# Altium PCB MCU025B.PcbDoc (part 1 of 3) (continued)
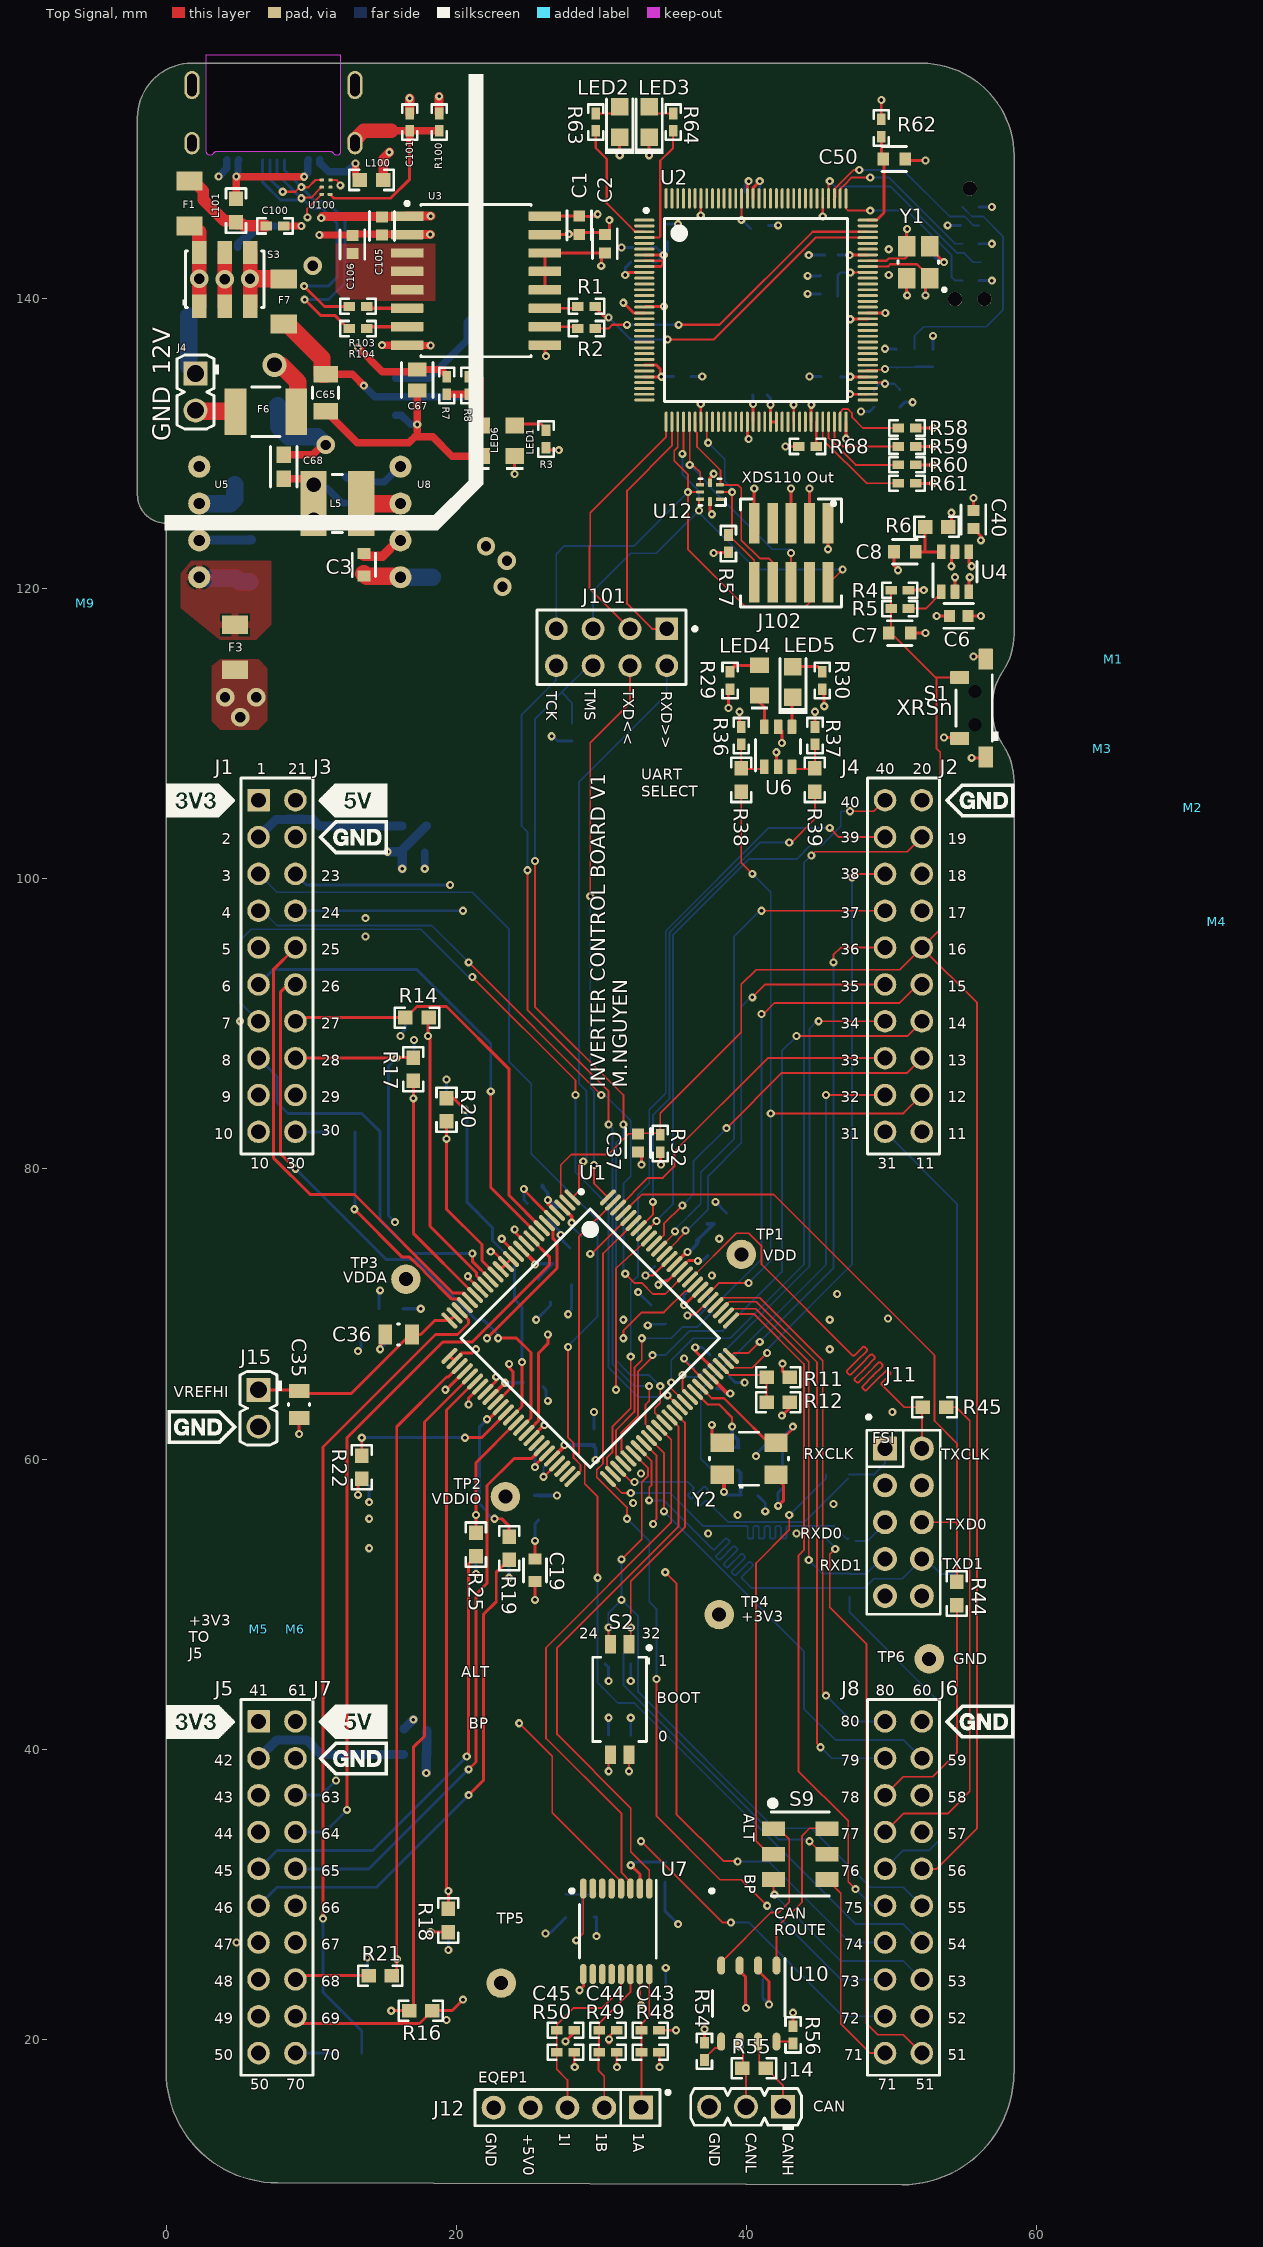
[diagram p0: Top Signal view]
## Components (designator, comment, footprint, x,y, rotation, side; value= is the part's Value field where it differs from the comment) (continued)
LED6 "150080SS75000" WL-SMCW_0805_150080xx75000 21.65,130.173 r90 top
M1 "60900213421" Wurth_60900213421 65.278,115.135 r270 top
M2 "60900213421" Wurth_60900213421 70.739,104.902 r90 top
M3 "60900213421" Wurth_60900213421 64.5,108.966 r90 top
M4 "60900213421" Wurth_60900213421 72.39,97.028 r90 top
M5 "60900213421" Wurth_60900213421 6.35,48.26 r90 top
M6 "60900213421" Wurth_60900213421 8.89,48.26 r90 top
M9 "60900213421" Wurth_60900213421 -5.588,118.999 r90 top
R1 "CRCW040224R3FKED" 0402 28.956,139.446 r0 top value=24.3
R2 "CRCW040224R3FKED" 0402 28.956,137.922 r0 top value=24.3
R3 "CRCW0402680RJNED" 0402 26.162,130.302 r270 top value=680
R4 "CRCW04022K20JNED" 0402 50.546,119.888 r0 top value=2.2k
R5 "CRCW04020000Z0ED" 0402 50.546,118.618 r180 top value=0
R6 "CRCW06032K20JNEA" 0603 53.086,124.25 r0 top value=2.2k
R7 "CRCW06032K20JNEA" 0402 19.317,133.987 r90 top value=2.2k
R8 "RC0603FR-07120RL" 0402 20.828,133.987 r270 top value=120
R10 "CRCW04022K20JNED" 0402 27.95,110.075 r270 bottom value=2.2k
R11 "CRCW06030000Z0EA" 0603 42.164,65.634 r0 top value=0
R12 "CRCW06030000Z0EA" 0603 42.164,63.906 r0 top value=0
R13 "CRCW06030000Z0EA" 0603 12.7,19.05 r0 bottom value=0
R14 "CRCW06030000Z0EA" 0603 17.272,90.424 r180 top value=0
R15 "CRCW06030000Z0EA" 0603 12.192,82.55 r0 bottom value=0
R16 "CRCW06030000Z0EA" 0603 17.526,21.971 r0 top value=0
R17 "CRCW06030000Z0EA" 0603 17.018,86.868 r90 top value=0
R18 "CRCW06030000Z0EA" 0603 19.431,28.194 r270 top value=0
R19 "CRCW06030000Z0EA" 0603 23.622,53.848 r90 top value=0
R20 "CRCW06030000Z0EA" 0603 19.304,84.074 r90 top value=0
R21 "CRCW06030000Z0EA" 0603 14.732,24.384 r180 top value=0
R22 "CRCW06030000Z0EA" 0603 13.462,59.436 r90 top value=0
R23 "CRCW06030000Z0EA" 0603 17.018,103.632 r180 bottom value=0
R24 "CRCW06030000Z0EA" 0603 17.145,39.624 r180 bottom value=0
R25 "CRCW06030000Z0EA" 0603 21.336,54.102 r90 top value=0
R26 "CRCW06030000Z0EA" 0603 17.018,101.854 r180 bottom value=0
R27 "CRCW06030000Z0EA" 0603 17.145,41.275 r0 bottom value=0
R28 "CRCW06030000Z0EA" 0603 37.623,60.018 r90 bottom value=0
R29 "CRCW0402680RJNED" 0402 38.846,113.661 r270 top value=680
R30 "CRCW0402680RJNED" 0402 45.196,113.661 r270 top value=680
R31 "CRCW06030000Z0EA" 0603 39.401,60.018 r90 bottom value=0
R32 "CRCW04022K20JNED" 0402 34.036,81.75 r270 top value=2.2k
R33 "CRCW040256K0JNED" 0402 30.48,46.482 r270 bottom value=56k
R34 "CRCW040256K0JNED" 0402 32.004,46.482 r270 bottom value=56k
R35 "CRCW06030000Z0EA" 0603 42.467,58.792 r270 bottom value=0
R36 "CRCW040210M0JNED" 0402 39.624,109.855 r90 top value=10Meg
R37 "CRCW040210M0JNED" 0402 44.704,109.855 r90 top value=10Meg
R38 "CRCW06030000Z0EA" 0603 39.624,106.807 r90 top value=0
R39 "CRCW06030000Z0EA" 0603 44.679,106.807 r90 top value=0
R40 "CRCW04022K20JNED" 0402 30.48,40.386 r270 bottom value=2.2k
R41 "CRCW04022K20JNED" 0402 32.004,40.386 r270 bottom value=2.2k
R42 "CRCW06032K20JNEA" 0603 27.5,29.21 r90 bottom value=2.2k
R43 "CRCW06030000Z0EA" 0603 29.636,29.222 r90 bottom value=0
R44 "CRCW06030000Z0EA" 0603 54.475,50.725 r270 top value=0
R45 "CRCW06030000Z0EA" 0603 52.941,63.571 r0 top value=0
R46 "CRCW06030000Z0EA" 0603 46.228,58.928 r180 bottom value=0
R47 "CRCW06030000Z0EA" 0603 46.228,54.514 r180 bottom value=0
R48 "CRCW04021K00FKED" 0402 33.348,19.1 r0 top value=1.00k
R49 "CRCW04021K00FKED" 0402 30.427,19.1 r0 top value=1.00k
R50 "CRCW04021K00FKED" 0402 27.506,19.1 r0 top value=1.00k
R54 "CRCW040210K0FKED" 0402 37.084,19.177 r90 top value=10.0k
R55 "RC0603FR-07120RL" 0603 40.5,18 r0 top value=120
R56 "CRCW040210K0FKED" 0402 43.188,20.309 r270 top value=10.0k
R57 "CRCW04023K30JNED" 0402 38.735,123.089 r270 top value=3.3k
R58 "CRCW04021K00JNED" 0402 51.054,131.064 r0 top value=1.0k
R59 "CRCW04021K00JNED" 0402 51.054,129.794 r0 top value=1.0k
R60 "CRCW04021K00JNED" 0402 51.054,128.524 r0 top value=1.0k
R61 "CRCW04021K00JNED" 0402 51.054,127.254 r0 top value=1.0k
R62 "CRCW0402100RJNED" 0402 49.276,151.75 r270 top value=100
R63 "ERJ-2RKF4700X" 0402 29.591,152.146 r270 top value=470
R64 "ERJ-2RKF4700X" 0402 34.925,152.146 r270 top value=470
R65 "CRCW040210K0JNED" 0402 50.292,135.89 r90 bottom value=10k
R66 "CRCW0402100RJNED" 0402 51.562,135.89 r270 bottom value=100
R67 "CRCW040210K0JNED" 0402 52.832,135.89 r270 bottom value=10k
R68 "CRCW04024K87FKED" 0402 44.196,129.794 r0 top value=4.87k
R70 "CRCW040251R0JNED" 0402 48.768,133.096 r270 bottom value=51
R71 "CRCW06030000Z0EA" 0603 47.092,51.095 r270 bottom value=0
R72 "CRCW06030000Z0EA" 0603 54.483,52.959 r90 bottom value=0
R100 "CRCW04021M00FKED" 0402 18.796,152.146 r270 top value=1.00Meg
R103 "CRCW040224R3FKED" 0402 13.208,139.446 r0 top value=24.3
R104 "CRCW040224R3FKED" 0402 13.208,137.922 r0 top value=24.3
S1 "1188E-1K2-V-TR" SW_1188E 55.372,111.76 r180 top
S2 "218-2LPST" SW_218-2LP 31.242,43.434 r270 top
S3 "CAS-220TA" SW_CAS-D20TA 4.011,141.314 r90 top
S9 "CAS-220TA" SW_CAS-220TA 43.688,32.766 r0 top
TP1 "TESTPOINT" TESTPOINT 39.625,74.1 r0 top
TP2 "TESTPOINT" TESTPOINT 23.368,57.404 r0 top
TP3 "TESTPOINT" TESTPOINT 16.51,72.39 r0 top
TP4 "TESTPOINT" TESTPOINT 38.1,49.276 r0 top
TP5 "TESTPOINT" TESTPOINT 23.074,23.875 r0 top
TP6 "TESTPOINT" TESTPOINT 52.578,46.228 r0 top
U1 "F280049CPZS" PZ0100A_N 29.21,68.326 r315 top
U2 "MSP432E401YTPDT" PDT0128A 40.64,139.192 r0 top locked
U3 "ADuM3160BRWZ" SOIC-16 21.336,141.224 r0 top
U4 "TPS3702CX33DDCR" DDC0006A_N 54.356,121.158 r90 top
U5 "1S4E_0505S1.5U" 1S4E_0503S1U-Footprint-1 2.261,128.397 r270 top
U6 "SN74LVC2G07DBVR" DBV0006A_N 42.164,109.093 r90 top
U7 "TXB0106PWR" PW0016A_N 31.008,27.444 r270 top
U8 "1S4E_0503S1U" 1S4E_0503S1U-Footprint-1 16.129,128.397 r270 top
U10 "SN65HVD234DR" D0008A_L 40.145,22.463 r270 top
U11 "AP1509-50SG-13" AP1509-50SG-13-Footprint-1 15.786,135.763 r180 bottom
U12 "TPD6E004RSER" RSE0008A 37.465,126.645 r180 top
U100 "TPD4E004DRYR" DRY0006A 11.003,147.663 r180 top
Y1 "NX3225GA-16.000M-STD-CRG-1" NDK_NX3225GA 51.816,142.494 r180 top
Y2 "ECS-200-18-30B-AGN-TR" ECS_ECX-53B 40.163,60.018 r90 top

## Footprints (in the part's own frame and the unit in brackets; to place one, negate y for a bottom-side part, rotate by r counter-clockwise, add the part's x,y. Pads: shape width x height; smd on the part's side, far side on the other; paste and mask are expansions set on the pad)
1S4E_0503S1U-Footprint-1 [mil]
  round 60 hole 30: 1(0,0) 2(100,0) 3(200,0) 4(300,0)
  body extent -75,-63 386,173, height 380
0402 [mm] "0402 from SM-752 data"
  rect 0.8x0.6 smd: 1(-0.6,0) 2(0.6,0)
  silkscreen extent -1.22,-0.52 1.22,0.52, body extent -0.55,-0.3 0.55,0.3, height 0.6
0603 [mm] "0603 from SM-752 data"
  rect 1x0.95 smd: 1(-0.8,0) 2(0.8,0)
  silkscreen extent -1.52,-0.69 1.52,0.69, body extent -0.87,-0.47 0.87,0.47, height 1
0805 [mm] "0805 from SM-752 data"
  rect 1.3x1.5 smd: 1(-0.85,0) 2(0.85,0)
  silkscreen extent -1.72,-0.97 1.72,0.97, body extent -1.1,-0.72 1.1,0.72, height 1.45
AMPHENOL_GSB1C4621DS1HR [mm]
  rect 0.6x1.1 smd mask+0.05: A1_B12(-3.2,5.15) A4_B9(-2.4,5.15) B1_A12(3.2,5.15) B4_A9(2.4,5.15)
  rect 0.3x1.1 smd mask+0.05: A5(-1.25,5.15) A6(-0.25,5.15) A7(0.25,5.15) A8(1.25,5.15) B5(1.75,5.15) B6(0.75,5.15) B7(-0.75,5.15) B8(-1.75,5.15)
  oval 1.05x1.55 hole 0.65 slot 1.15 at 90 deg: SH1(-5.62,4) SH2(5.62,4)
  oval 1.05x1.95 hole 0.65 slot 1.55 at 90 deg: SH3(-5.62,0) SH4(5.62,0)
  Keep-Out Layer board cut-out: -4.619,4.622 -4.62,4.6 -4.62,-2.1 4.62,-2.1 4.62,4.6 4.619,4.622 4.616,4.643 4.611,4.665 4.605,4.686 4.597,4.706 4.587,4.725 4.575,4.743 4.562,4.761 4.547,4.777 4.531,4.792 4.513,4.805 4.495,4.817 4.476,4.827 4.456,4.835 4.435,4.841 4.413,4.846 4.392,4.849 4.37,4.85 4.348,4.849 4.327,4.846 4.305,4.841 4.284,4.835 4.264,4.827 4.245,4.817 4.227,4.805 4.209,4.792 4.193,4.777 4.178,4.761 4.165,4.743 4.154,4.725 4.149,4.718 4.144,4.71 4.139,4.703 4.134,4.696 4.129,4.689 4.123,4.683 4.117,4.676 4.111,4.67 4.104,4.664 4.098,4.658 4.091,4.653 4.084,4.648 4.077,4.643 4.069,4.638 4.062,4.633 4.054,4.629 4.047,4.625 4.039,4.622 4.031,4.618 4.022,4.615 4.014,4.612 4.006,4.61 3.997,4.607 3.989,4.605 3.98,4.604 3.972,4.602 3.963,4.601 3.954,4.601 3.946,4.6 3.937,4.6 -3.937,4.6 -3.946,4.6 -3.954,4.601 -3.963,4.601 -3.972,4.602 -3.98,4.604 -3.989,4.605 -3.997,4.607 -4.006,4.61 -4.014,4.612 -4.022,4.615 -4.031,4.618 -4.039,4.622 -4.047,4.625 -4.054,4.629 -4.062,4.633 -4.069,4.638 -4.077,4.643 -4.084,4.648 -4.091,4.653 -4.098,4.658 -4.104,4.664 -4.111,4.67 -4.117,4.676 -4.123,4.683 -4.129,4.689 -4.134,4.696 -4.139,4.703 -4.144,4.71 -4.149,4.718 -4.154,4.725 -4.165,4.743 -4.178,4.761 -4.193,4.777 -4.209,4.792 -4.227,4.805 -4.245,4.817 -4.264,4.827 -4.284,4.835 -4.305,4.841 -4.327,4.846 -4.348,4.849 -4.37,4.85 -4.392,4.849 -4.413,4.846 -4.435,4.841 -4.456,4.835 -4.476,4.827 -4.495,4.817 -4.513,4.805 -4.531,4.792 -4.547,4.777 -4.562,4.761 -4.575,4.743 -4.587,4.725 -4.597,4.706 -4.605,4.686 -4.611,4.665 -4.616,4.643
  silkscreen extent -3.3,6.15 -3.1,6.35, body extent -5.77,-2.1 5.77,5.1, height 2.13
AP1509-50SG-13-Footprint-1 [mm]
  rrect50% 1.5x0.7 smd: 1(0,0) 2(0,-1.27) 3(0,-2.54) 4(0,-3.81) 5(5,-3.81) 6(5,-2.54) 7(5,-1.27) 8(5,0)
  silkscreen extent 2,0.13 3.27,0.76
BoosterPack_40pin_J1J3 [mm] "Receptacle, 2.54mm, 10x2, TH"
  rrect6% 1.55x1.55 hole 1.02: 1(1.27,11.43)
  round 1.55 hole 1.02: 2(1.27,8.89) 3(1.27,6.35) 4(1.27,3.81) 5(1.27,1.27) 6(1.27,-1.27) 7(1.27,-3.81) 8(1.27,-6.35) 9(1.27,-8.89) 10(1.27,-11.43) 21(-1.27,11.43) 22(-1.27,8.89) 23(-1.27,6.35) 24(-1.27,3.81) 25(-1.27,1.27) 26(-1.27,-1.27) 27(-1.27,-3.81) 28(-1.27,-6.35) 29(-1.27,-8.89) 30(-1.27,-11.43)
  silkscreen extent -7.62,-12.95 7.62,12.95, body extent -2.48,-12.95 2.48,12.95, height 8.51
BoosterPack_40pin_J2J4 [mm] "Receptacle, 2.54mm, 10x2, TH"
  round 1.55 hole 1.02: 11(-1.27,-11.43) 12(-1.27,-8.89) 13(-1.27,-6.35) 14(-1.27,-3.81) 15(-1.27,-1.27) 16(-1.27,1.27) 17(-1.27,3.81) 18(-1.27,6.35) 19(-1.27,8.89) 20(-1.27,11.43) 31(1.27,-11.43) 32(1.27,-8.89) 33(1.27,-6.35) 34(1.27,-3.81) 35(1.27,-1.27) 36(1.27,1.27) 37(1.27,3.81) 38(1.27,6.35) 39(1.27,8.89) 40(1.27,11.43)
  silkscreen extent -7.62,-12.95 2.48,12.95, body extent -2.48,-12.95 2.48,12.95, height 8.51
BOUR-SDR0403-2_V [mm] "SMD, 2-Leads, Dia 4.5mm, Height 3.5mm"
  rect 1.8x4.5 smd: 1(-1.65,0) 2(1.65,0)
  silkscreen extent -0.35,-2 0.35,2, body extent -2.25,-2 2.25,2, height 3.5
D0008A_L [mm] "SOIC, 8-Leads, Body 4.9x3.9mm, Pitch 1.27mm, IPC High Density"
  oval 1.25x0.55 smd: 1(-2.625,1.905) 2(-2.625,0.635) 3(-2.625,-0.635) 4(-2.625,-1.905) 5(2.625,-1.905) 6(2.625,-0.635) 7(2.625,0.635) 8(2.625,1.905)
  silkscreen extent -3.1,-2.5 0.9,2.5, body extent -3,-2.45 3,2.45, height 1.63
DBV0006A_N [mm] "SOT23, 6-Leads, Body 2.9x1.6mm, Pitch 0.95mm, Lead Span 2.8mm, IPC Medium Density"
  rrect17% 1x0.6 smd: 1(-1.375,0.95) 2(-1.375,0) 3(-1.375,-0.95) 4(1.375,-0.95) 5(1.375,0) 6(1.375,0.95)
  silkscreen extent -1.67,-1.55 0.5,1.55, body extent -1.42,-1.46 1.42,1.46, height 1.12
DDC0006A_N [mm]
  rrect17% 1x0.6 smd: 1(-1.375,0.95) 2(-1.375,0) 3(-1.375,-0.95) 4(1.375,-0.95) 5(1.375,0) 6(1.375,0.95)
  silkscreen extent -1.75,-1.52 0.7,1.53, body extent -1.43,-1.48 1.43,1.49, height 0.92
DRY0006A [mm] "PSON, 6-Leads, Body 1x1.45mm, Pitch 0.5mm, TI Recommended"
  rrect50% 0.35x0.2 smd: 1(-0.275,0.5)
  rrect50% 0.3x0.2 smd: 2(-0.3,0) 3(-0.3,-0.5) 4(0.3,-0.5) 5(0.3,0) 6(0.3,0.5)
  body extent -0.5,-0.72 0.5,0.73, height 0.58
ECS_ECX-53B [mm] "SMD, 4-Leads, Body 5x3.2mm"
  rect 1.25x1.6 smd: 1(-1.1,1.85) 2(-1.1,-1.85) 3(1.1,-1.85) 4(1.1,1.85)
  silkscreen extent -2.05,-2.7 1.83,2.73, body extent -1.7,-2.6 1.7,2.6, height 0.86
FP-CC0603-DA-MFG [mm]
  rect 0.8x0.9 smd paste+0 mask+0: 1(-0.75,0) 2(0.75,0)
  silkscreen extent -0.85,-0.85 0.85,0.85, body extent -1.35,-0.75 1.35,0.75, height 0.25
FP-CC0805-0_85-MFG [mm]
  rect 0.95x1.4 smd paste+0 mask+0: 1(-0.925,0) 2(0.925,0)
  silkscreen extent -0.08,-0.72 0.08,0.72, body extent -1,-0.63 1,0.63, height 0.95
FP-CL10-IPC_A [mm]
  rect 1.158x1.012 smd paste+0 mask+0: 1(-0.827,0) 2(0.827,0)
  silkscreen extent -1.41,-0.91 1.41,0.91, body extent -1.91,-1.01 1.91,1.01, height 0.25
FP-CL10-IPC_C [mm]
  rect 0.758x0.812 smd paste+0 mask+0: 1(-0.627,0) 2(0.627,0)
  silkscreen extent -1.01,-0.85 1.01,0.85, body extent -1.11,-0.55 1.11,0.55, height 0.25
FP-GRM21B-0_1-IPC_C [mm]
  rect 0.958x1.262 smd paste+0 mask+0: 1(-0.727,0) 2(0.727,0)
  silkscreen extent -1.21,-1.07 1.21,1.07, body extent -1.31,-0.77 1.31,0.77, height 0.25
FP-GRM31C-0_2-e0_3_0_8-IPC_C [mm]
  rect 1.155x1.706 smd paste+0 mask+0: 1(-1.276,0) 2(1.276,0)
  silkscreen extent -0.4,-0.9 0.4,0.9, body extent -1.95,-1 1.95,1, height 0.25
FP-GRM188-0_15-MFG [mm]
  rect 0.75x0.9 smd paste+0 mask+0: 1(-0.775,0) 2(0.775,0)
  silkscreen extent -0.8,-0.8 0.8,0.8, body extent -1.25,-0.58 1.25,0.58, height 0.25
FP-HTSW-104-07-G-D-MFG [mm]
  rect 1.57x1.57 hole 1.02 paste-2539.97 mask+0: 1(-3.81,-1.27)
  round 1.57 hole 1.02 paste-2539.97 mask+0: 2(-3.81,1.27) 3(-1.27,-1.27) 4(-1.27,1.27) 5(1.27,-1.27) 6(1.27,1.27) 7(3.81,-1.27) 8(3.81,1.27)
  silkscreen extent -5.87,-2.58 5.14,2.58, body extent -5.24,-2.68 5.24,2.68, height 0.25
FP-IHLP-2525AH-FP_2_413x3-MFG [mil]
  rect 95x135 smd paste+0 mask+0: 1(-115,0) 2(115,0)
  silkscreen extent -132,-132 132,132, body extent -135,-127 135,127, height 71
FP-MF-MSMF110-16-MFG [mm]
  rect 1.5x3.2 smd paste+0 mask+0: 1(-2.1,0) 2(2.1,0)
  silkscreen extent -0.97,-1.71 0.97,1.71, body extent -2.27,-1.61 2.28,1.63, height 0.75
LED_LTST-C171 [mm] "LITE-ON"
  rect 1.2x1.2 smd: 1(-1.05,0) 2(1.05,0)
  silkscreen extent -1.6,-1 2.2,1, body extent -1.05,-0.67 1.05,0.67, height 0.8
LTST-C170TBKT_Blue [mm] "LITE-ON"
  rect 1.2x1.2 smd: 1(-1.05,0) 2(1.05,0)
  silkscreen extent -1.6,-1 2.2,1, body extent -1.05,-0.67 1.05,0.67, height 1.2
NDK_NX3225GA [mm] "NDK"
  rect 1.2x1.4 smd: 1(-0.8,1.1) 2(-0.8,-1.1) 3(0.8,-1.1) 4(0.8,1.1)
  silkscreen extent -1.9,-0.1 1.4,2, body extent -1.3,-1.65 1.3,1.65, height 0.9
PDT0128A [mm] "Thin QFP, 128-Leads, Body 14x14mm, Pitch 0.4mm"
  oval 1.4x0.2 smd: 1(-7.7,6.2) 2(-7.7,5.8) 3(-7.7,5.4) 4(-7.7,5) 5(-7.7,4.6) 6(-7.7,4.2) 7(-7.7,3.8) 8(-7.7,3.4) 9(-7.7,3) 10(-7.7,2.6) 11(-7.7,2.2) 12(-7.7,1.8) 13(-7.7,1.4) 14(-7.7,1) 15(-7.7,0.6) 16(-7.7,0.2) 17(-7.7,-0.2) 18(-7.7,-0.6) 19(-7.7,-1) 20(-7.7,-1.4) 21(-7.7,-1.8) 22(-7.7,-2.2) 23(-7.7,-2.6) 24(-7.7,-3) 25(-7.7,-3.4) 26(-7.7,-3.8) 27(-7.7,-4.2) 28(-7.7,-4.6) 29(-7.7,-5) 30(-7.7,-5.4) 31(-7.7,-5.8) 32(-7.7,-6.2) 65(7.7,-6.2) 66(7.7,-5.8) 67(7.7,-5.4) 68(7.7,-5) 69(7.7,-4.6) 70(7.7,-4.2) 71(7.7,-3.8) 72(7.7,-3.4) 73(7.7,-3) 74(7.7,-2.6) 75(7.7,-2.2) 76(7.7,-1.8) 77(7.7,-1.4) 78(7.7,-1) 79(7.7,-0.6) 80(7.7,-0.2) 81(7.7,0.2) 82(7.7,0.6) 83(7.7,1) 84(7.7,1.4) 85(7.7,1.8) 86(7.7,2.2) 87(7.7,2.6) 88(7.7,3) 89(7.7,3.4) 90(7.7,3.8) 91(7.7,4.2) 92(7.7,4.6) 93(7.7,5) 94(7.7,5.4) 95(7.7,5.8) 96(7.7,6.2)
  oval 0.2x1.4 smd: 33(-6.2,-7.7) 34(-5.8,-7.7) 35(-5.4,-7.7) 36(-5,-7.7) 37(-4.6,-7.7) 38(-4.2,-7.7) 39(-3.8,-7.7) 40(-3.4,-7.7) 41(-3,-7.7) 42(-2.6,-7.7) 43(-2.2,-7.7) 44(-1.8,-7.7) 45(-1.4,-7.7) 46(-1,-7.7) 47(-0.6,-7.7) 48(-0.2,-7.7) 49(0.2,-7.7) 50(0.6,-7.7) 51(1,-7.7) 52(1.4,-7.7) 53(1.8,-7.7) 54(2.2,-7.7) 55(2.6,-7.7) 56(3,-7.7) 57(3.4,-7.7) 58(3.8,-7.7) 59(4.2,-7.7) 60(4.6,-7.7) 61(5,-7.7) 62(5.4,-7.7) 63(5.8,-7.7) 64(6.2,-7.7) 97(6.2,7.7) 98(5.8,7.7) 99(5.4,7.7) 100(5,7.7) 101(4.6,7.7) 102(4.2,7.7) 103(3.8,7.7) 104(3.4,7.7) 105(3,7.7) 106(2.6,7.7) 107(2.2,7.7) 108(1.8,7.7) 109(1.4,7.7) 110(1,7.7) 111(0.6,7.7) 112(0.2,7.7) 113(-0.2,7.7) 114(-0.6,7.7) 115(-1,7.7) 116(-1.4,7.7) 117(-1.8,7.7) 118(-2.2,7.7) 119(-2.6,7.7) 120(-3,7.7) 121(-3.4,7.7) 122(-3.8,7.7) 123(-4.2,7.7) 124(-4.6,7.7) 125(-5,7.7) 126(-5.4,7.7) 127(-5.8,7.7) 128(-6.2,7.7)
  silkscreen extent -7.7,-6.3 6.3,6.99, body extent -8,-8 8,8, height 1.07
PW0016A_N [mm] "TSOP, 16-Leads, Body 5x4.4mm, Pitch 0.65mm, IPC Medium Density"
  oval 1.4x0.45 smd: 1(-2.95,2.275) 2(-2.95,1.625) 3(-2.95,0.975) 4(-2.95,0.325) 5(-2.95,-0.325) 6(-2.95,-0.975) 7(-2.95,-1.625) 8(-2.95,-2.275) 9(2.95,-2.275) 10(2.95,-1.625) 11(2.95,-0.975) 12(2.95,-0.325) 13(2.95,0.325) 14(2.95,0.975) 15(2.95,1.625) 16(2.95,2.275)
  silkscreen extent -3.5,-2.55 1.85,2.75, body extent -3.21,-2.5 3.21,2.5, height 1
PZ0100A_N [mm] "TSQFP, 100-Leads, Body 16.2x16.2mm (max), Pitch 0.50mm, IPC Medium Density"
  oval 1.45x0.3 smd: 1(-7.725,6) 2(-7.725,5.5) 3(-7.725,5) 4(-7.725,4.5) 5(-7.725,4) 6(-7.725,3.5) 7(-7.725,3) 8(-7.725,2.5) 9(-7.725,2) 10(-7.725,1.5) 11(-7.725,1) 12(-7.725,0.5) 13(-7.725,0) 14(-7.725,-0.5) 15(-7.725,-1) 16(-7.725,-1.5) 17(-7.725,-2) 18(-7.725,-2.5) 19(-7.725,-3) 20(-7.725,-3.5) 21(-7.725,-4) 22(-7.725,-4.5) 23(-7.725,-5) 24(-7.725,-5.5) 25(-7.725,-6) 51(7.725,-6) 52(7.725,-5.5) 53(7.725,-5) 54(7.725,-4.5) 55(7.725,-4) 56(7.725,-3.5) 57(7.725,-3) 58(7.725,-2.5) 59(7.725,-2) 60(7.725,-1.5) 61(7.725,-1) 62(7.725,-0.5) 63(7.725,0) 64(7.725,0.5) 65(7.725,1) 66(7.725,1.5) 67(7.725,2) 68(7.725,2.5) 69(7.725,3) 70(7.725,3.5) 71(7.725,4) 72(7.725,4.5) 73(7.725,5) 74(7.725,5.5) 75(7.725,6)
  oval 0.3x1.45 smd: 26(-6,-7.725) 27(-5.5,-7.725) 28(-5,-7.725) 29(-4.5,-7.725) 30(-4,-7.725) 31(-3.5,-7.725) 32(-3,-7.725) 33(-2.5,-7.725) 34(-2,-7.725) 35(-1.5,-7.725) 36(-1,-7.725) 37(-0.5,-7.725) 38(0,-7.725) 39(0.5,-7.725) 40(1,-7.725) 41(1.5,-7.725) 42(2,-7.725) 43(2.5,-7.725) 44(3,-7.725) 45(3.5,-7.725) 46(4,-7.725) 47(4.5,-7.725) 48(5,-7.725) 49(5.5,-7.725) 50(6,-7.725) 76(6,7.725) 77(5.5,7.725) 78(5,7.725) 79(4.5,7.725) 80(4,7.725) 81(3.5,7.725) 82(3,7.725) 83(2.5,7.725) 84(2,7.725) 85(1.5,7.725) 86(1,7.725) 87(0.5,7.725) 88(0,7.725) 89(-0.5,7.725) 90(-1,7.725) 91(-1.5,7.725) 92(-2,7.725) 93(-2.5,7.725) 94(-3,7.725) 95(-3.5,7.725) 96(-4,7.725) 97(-4.5,7.725) 98(-5,7.725) 99(-5.5,7.725) 100(-6,7.725)
  silkscreen extent -7.7,-6.3 6.3,6.82, body extent -8.01,-8.01 8.01,8.01, height 1.5
RSE0008A [mm] "QFN, 8-Leads, Body 1.5x1.5mm, Pitch 0.5mm, TI Recommended"
  rrect40% 0.55x0.25 smd: 1(-0.675,0.5) 3(-0.675,-0.5) 5(0.675,-0.5) 7(0.675,0.5)
  rrect50% 0.55x0.2 smd: 2(-0.675,0) 6(0.675,0)
  rrect33% 0.3x0.6 smd: 4(0,-0.65) 8(0,0.65)
  silkscreen extent -1.02,-0.93 0.78,0.93, body extent -0.75,-0.75 0.75,0.75, height 0.6
Samtec_FTSH-105-01-x-DV-K [mm] "Header(Shrouded), 1.27mm, 5x2, SMT"
  rect 2.79x0.74 smd: 1(-2.035,2.54) 2(2.035,2.54) 3(-2.035,1.27) 4(2.035,1.27) 5(-2.035,0) 6(2.035,0) 7(-2.035,-1.27) 8(2.035,-1.27) 9(-2.035,-2.54) 10(2.035,-2.54)
  silkscreen extent -3.73,-3.48 3.73,3.48, body extent -2.92,-3.18 2.92,3.17, height 6.13
SMD1206B110TFT-Footprint-1 [mm]
  rect 1.3x1.8 smd: 1(-1.55,0) 2(1.55,0)
SOIC-16 [mm] "SOIC, 16-Leads, Body 10.3x7.5mm, Pitch 1.27mm"
  rrect15% 2.25x0.65 smd: 1(-4.75,4.445) 2(-4.75,3.175) 3(-4.75,1.905) 4(-4.75,0.635) 5(-4.75,-0.635) 6(-4.75,-1.905) 7(-4.75,-3.175) 8(-4.75,-4.445) 9(4.75,-4.445) 10(4.75,-3.175) 11(4.75,-1.905) 12(4.75,-0.635) 13(4.75,0.635) 14(4.75,1.905) 15(4.75,3.175) 16(4.75,4.445)
  silkscreen extent -4.87,-5.25 3.8,5.44, body extent -5.32,-5.24 5.32,5.25, height 2.64
SW_218-2LP [mm] "SMD, 4-Leads, Body 3.71x5.8mm, Pitch 1.27mm"
  rect 1.27x0.76 smd: 1(-3.81,0.635) 2(-3.81,-0.635) 3(3.81,-0.635) 4(3.81,0.635)
  silkscreen extent -2.9,-1.86 2.9,2.09, body extent -4.22,-1.86 4.22,1.85, height 2.62
SW_1188E [mm] "SMD, 4-Leads, Body 7.8x3.5mm"
  rrect10% 1x1.45 smd: 1(-1.1,3.375) 2(-1.1,-3.375)
  rrect11% 1.3x0.9 smd: 3(0.7,2.1) 4(0.7,-2.1)
  round 0 hole 0.9 unplated: ""(-0.35,1.15) ""(-0.35,-1.15)
  silkscreen extent -1.98,-2.28 0.95,2.28, body extent -2.55,-3.9 1.05,3.9, height 3.5
SW_CAS-220TA [mm] "COPAL ELECTRONICS"
  rect 1.6x1 smd: 1(-1.85,1.75) 2(-1.85,0) 3(-1.85,-1.75) 4(1.85,1.75) 5(1.85,0) 6(1.85,-1.75)
  silkscreen extent -2.1,-2.9 2,3.7, body extent -2.1,-2.85 2.1,2.85, height 2.51